# Altium PCB 03-旋钮模块-电路板图.PcbDoc
Units mm, origin at the board's own origin, x right, y up, seen from the top; angles counter-clockwise.
Board outline 36.3 x 36.3 mm, 2 copper layers (Top Layer, Bottom Layer); 6 components, 4 nets, 28 pads, 0 vias.
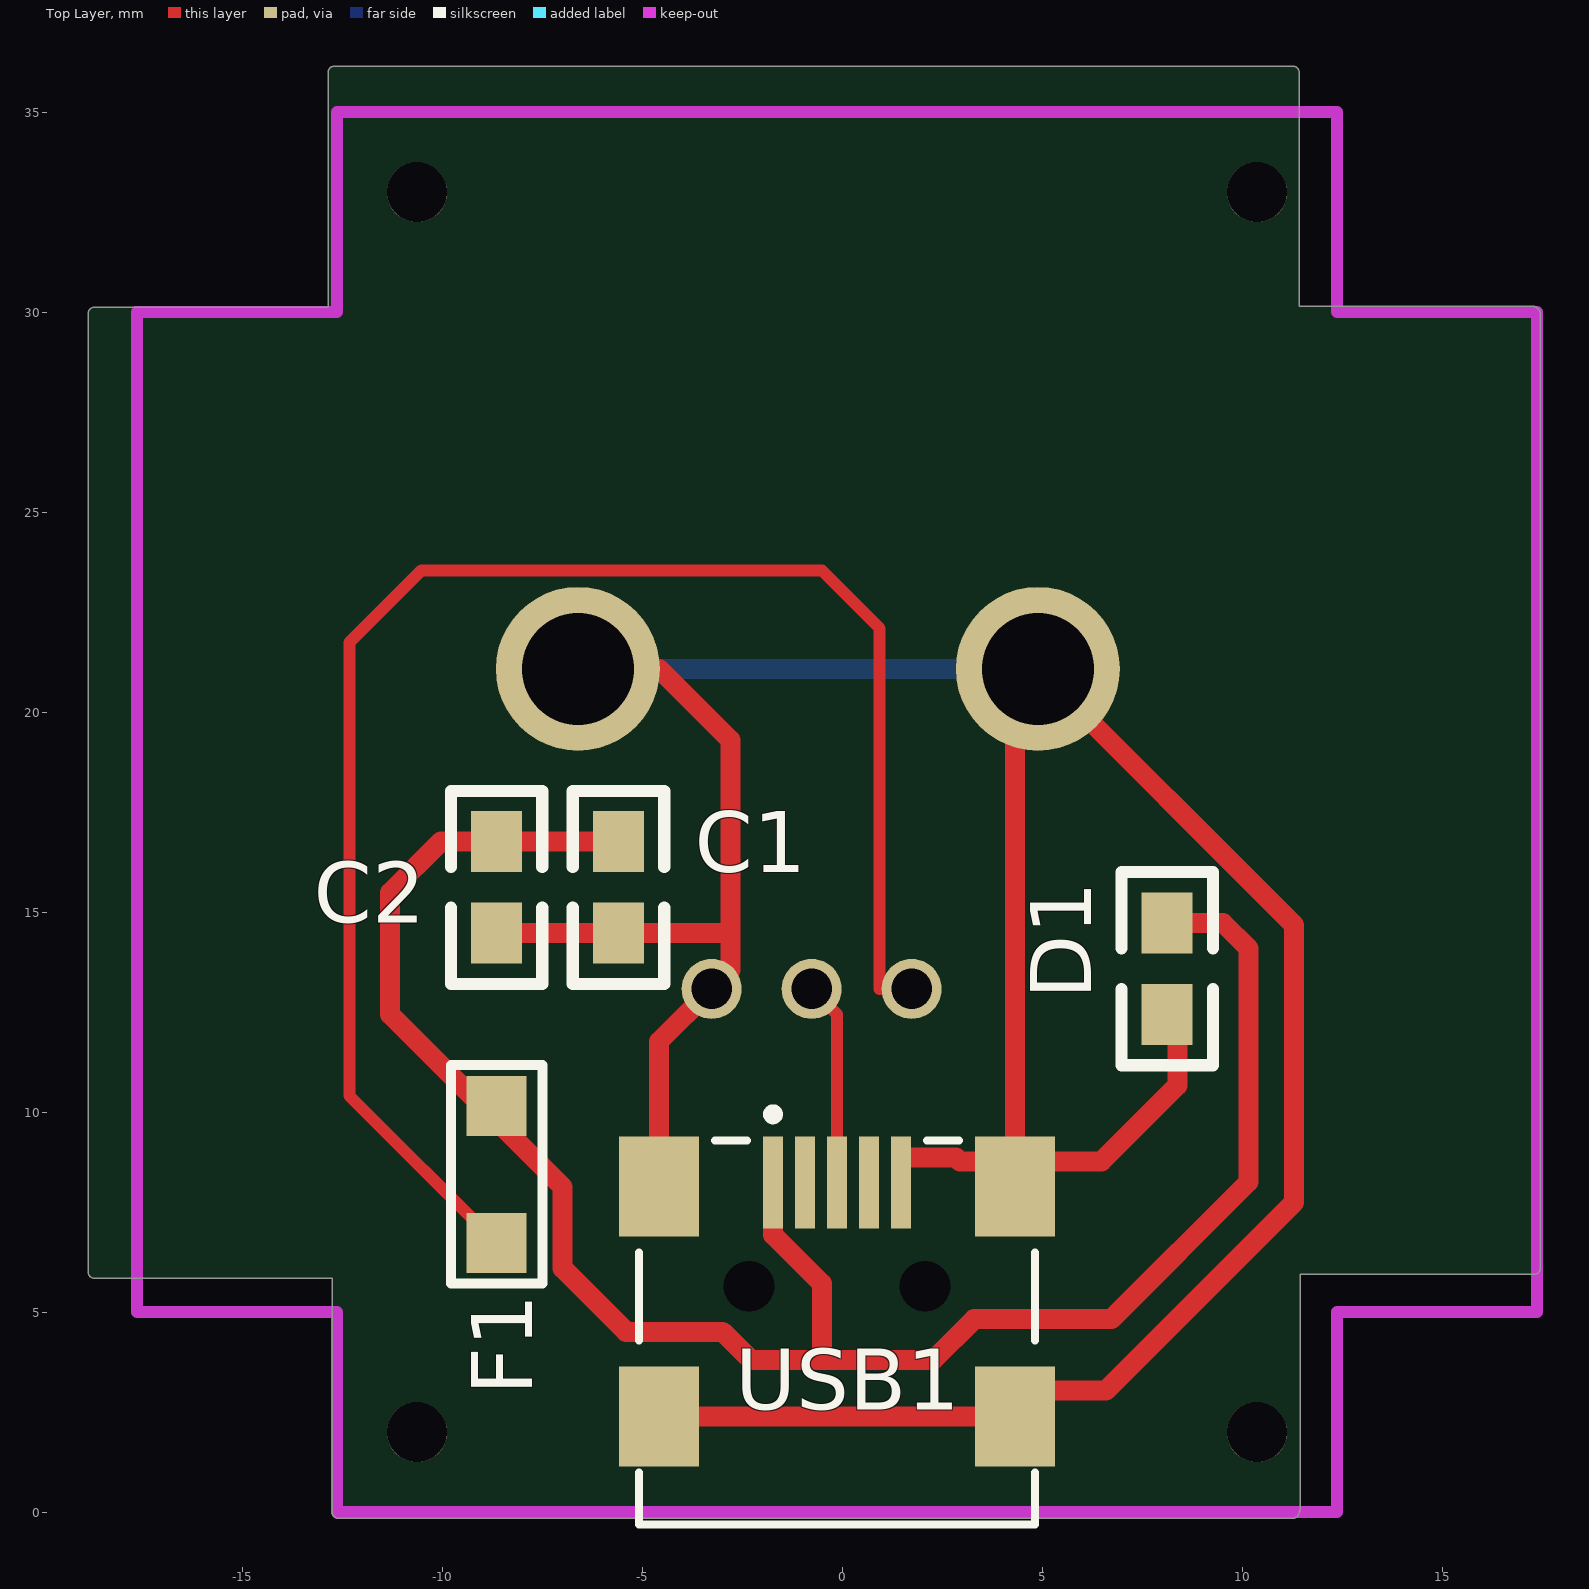
[diagram p0: Top Layer view]
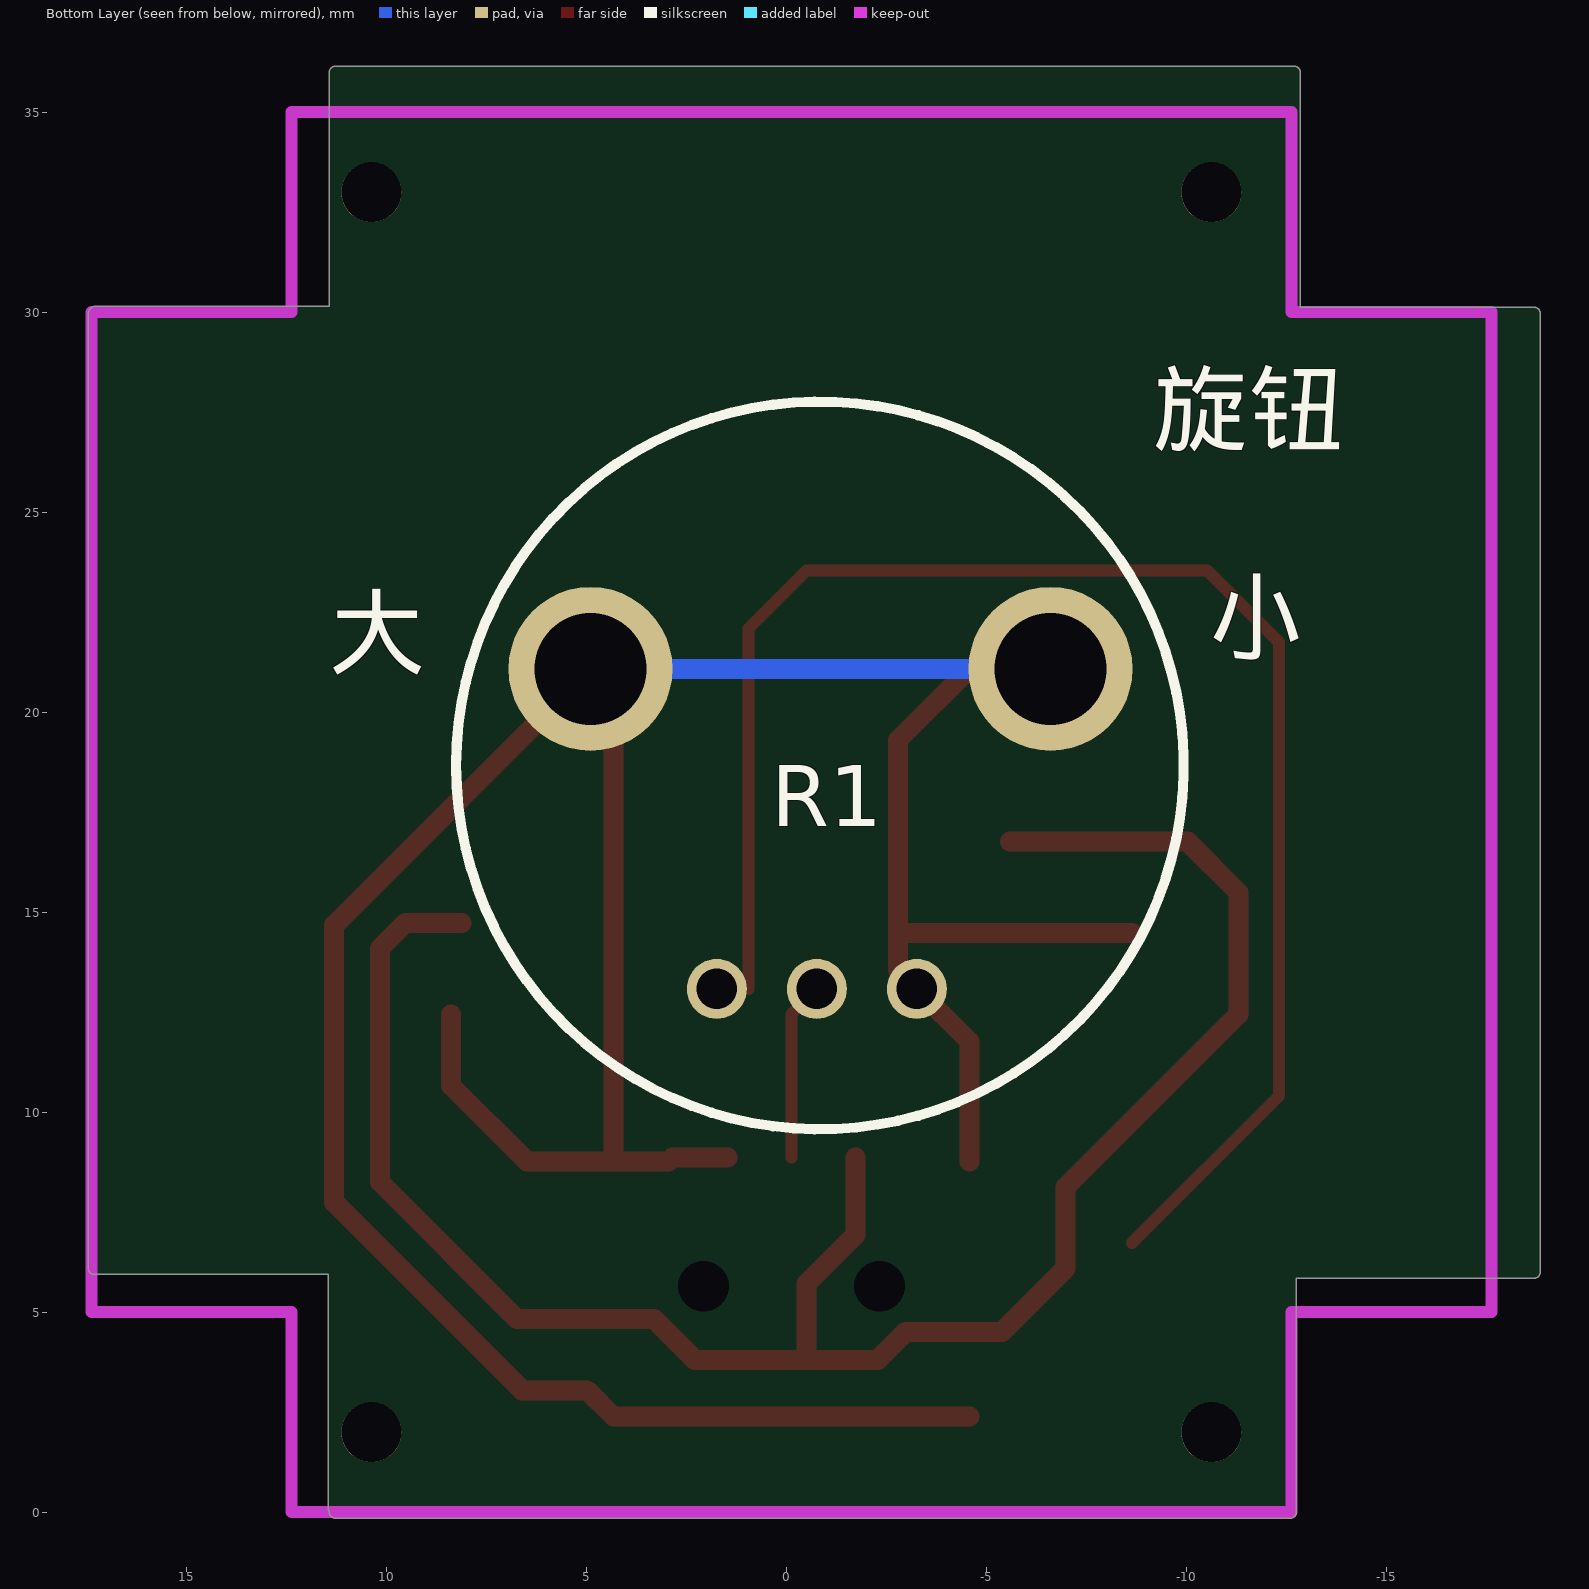
[diagram p1: Bottom Layer view, seen from below]

## Layer stack, top to bottom
Top Layer: signal copper 0.0356
Dielectric: dielectric 0.32, FR-4, Dk 4.8
Bottom Layer: signal copper 0.0356

## Board outline
-12.751,0 -12.751,5.85 -18.697,5.85 cw(c-18.697,6) -18.847,6 -18.847,29.972 cw(c-18.697,29.972) -18.697,30.122 -12.847,30.122 -12.847,35.969 cw(c-12.697,35.969) -12.847,35.984 cw(c-12.697,36) -12.697,36.15 11.272,36.15 cw(c11.272,36) 11.274,36.15 cw(c11.275,36) 11.425,36 11.425,30.15 17.272,30.15 cw(c17.272,30) 17.393,30.09 cw(c17.303,29.969) 17.453,29.969 17.453,6.096 cw(c17.303,6.096) 17.303,5.946 11.453,5.946 11.453,0.099 cw(c11.303,0.099) 11.425,0.011 cw(c11.275,0) 11.425,0 cw(c11.275,0) 11.275,-0.15 -12.601,-0.15 cw(c-12.601,0)

## Design rules (kind name [scope] priority, off if disabled: settings)
Clearance [All] p1: gap=0.254
PolygonConnect [All] p1: connectstyle=Relief reliefconductorwidth=0.254 reliefentries=4 polygonreliefangle="90 Angle"
RoutingVias [All] p1: holewidth=0.711 width=1.27 viastyle="Through Hole" minholewidth=0.711 minwidth=1.27 maxholewidth=0.711 maxwidth=1.27
SilkscreenOverComponentPads [All] p1: minsilkscreentomaskgap=0.254
SolderMaskExpansion [All] p1: expansion=0.102
TestPointUsage FabricationTestPointUsage [All] p1: valid=0 allowmultiple=FALSE
Testpoint FabricationTestpoint [All] p1: side=3 testpointundercomponent=TRUE minsize=1.016 maxsize=2.54 preferedsize=1.524 minholesize=0 maxholesize=1.016 preferedholesize=0.813 testpointgrid=0.025 style=297 order=0123456789
Width VCC [InNet('VCC')] p1: maxlimit=0.5 minlimit=0.5 preferedwidth=0.5
Width GND [InNet('GND')] p2: maxlimit=0.5 minlimit=0.5 preferedwidth=0.5
Width ALL [All] p3: maxlimit=0.3 minlimit=0.3 preferedwidth=0.3
23 further rules are at their usual default settings.

## Components (designator, comment, footprint, x,y, rotation, side; value= is the part's Value field where it differs from the comment)
C1 "Cap" 0805 -5.588,16.764 r270 top
C2 "Cap" 0805 -8.636,16.764 r270 top
D1 "LED0" 0805 8.128,14.732 r270 top
F1 "Fuse 1" Fuse -8.636,10.16 r270 top
R1 "Res Tap" 滑动电阻器 -6.604,21.082 r0 bottom
USB1 "USB" USB/SM0.8-6H5 0,4.715 r270 top (schematic designator USB_1)

## Footprints (in the part's own frame and the unit in brackets; to place one, negate y for a bottom-side part, rotate by r counter-clockwise, add the part's x,y. Pads: shape width x height; smd on the part's side, far side on the other; paste and mask are expansions set on the pad)
0805 [mil]
  rect 60x50 smd: 1(0,-0.06) 2(90,-0.06)
  silkscreen extent -50,-45 140,45
Fuse [mm]
  rect 1.5x1.5 smd: 1(0,0) 2(3.429,0)
  silkscreen extent -1.02,-1.14 4.44,1.14
USB/SM0.8-6H5 [mm]
  rect 2.3x0.5 smd: 1(-3.532,-1.727) 2(-3.532,-0.927) 3(-3.532,-0.127) 4(-3.532,0.673) 5(-3.532,1.473)
  rect 2.5x2 smd: 6(-3.432,4.323) 7(2.322,4.323) 8(-3.432,-4.577) 9(2.322,-4.577)
  round 0.6 hole 1.27 unplated: MH1(-0.932,2.073) MH2(-0.932,-2.327)
  silkscreen extent -5.36,-5.08 5.02,4.82
滑动电阻器 [mm]
  round 4.1 hole 2.794: 0(0,0) 0(11.5,0)
  round 1.5 hole 1.016: 1(3.343,8) 2(8.343,8) 3(5.843,8)
  silkscreen extent -3.33,-6.68 14.86,11.51

## Part data
C1 C2: "Capacitor"
D1: "Typical INFRARED GaAs LED"
F1: "Fuse"
R1: "Tapped Resistor"
USB1: library part USB5

## Free pads (board coordinates)
  round 1.5 hole 1.5: 0(-10.627,2) 0(-10.627,33) 0(10.373,2) 0(10.373,33)

## Nets (pads, with @x,y where several pads share a name; then routed paths per layer and width w, separated by ;. In a path a pad name is that pad's centre, name@x,y a point inside that pad or via, vN(x,y) a via of type N, cw(c..) or ccw(c..) an arc to the next point about the centre after c; other vN are vias at no path point)
GND: C1.2 C2.2 D1.2 R1.0 R1.1 USB1.5 USB1.6 USB1.7 USB1.8 USB1.9 | length 89.7
  Top Layer w0.5: C2.2 C1.2 -2.794,14.478 ; R1.0@-6.604,21.082 -4.572,21.082 -2.794,19.304 -2.794,14.478 ; USB1.9 USB1.7 4.978,3.048 6.604,3.048 11.303,7.747 11.303,14.675 4.896,21.082 4.323,21.082 USB1.6@4.323,8.766 ; USB1.8@-4.577,8.766 -4.577,11.766 R1.1 -2.794,13.549 -2.794,14.478 ; USB1.5@1.473,8.866 2.845,8.866 2.945,8.766 USB1.6@4.323,8.766 ; D1.2@8.382,12.448 8.382,10.668 6.48,8.766 USB1.6@4.323,8.766
  Bottom Layer w0.5: R1.0@-6.604,21.082 R1.0@4.896,21.082
NetF1_2: F1.2 R1.2 | length 41
  Top Layer w0.3: F1.2 -12.319,10.414 -12.319,21.742 -10.516,23.546 -0.508,23.546 0.94,22.098 0.94,13.082 R1.2
NetR1_3: R1.3 USB1.3 | length 4.5
  Top Layer w0.3: R1.3 R1.3 -0.127,12.446 USB1.3@-0.127,8.866
VCC: C1.1 C2.1 D1.1 F1.1 USB1.1 | length 51.1
  Top Layer w0.5: C1.1 C2.1 -10.033,16.764 -11.303,15.494 -11.303,12.446 -6.985,8.128 -6.985,6.096 -5.397,4.508 -2.984,4.508 -2.286,3.81 -0.508,3.81 ; USB1.1@-1.727,8.866 USB1.1 -1.727,6.934 -0.508,5.715 -0.508,3.81 ; D1.1 9.525,14.732 10.16,14.097 10.16,8.255 6.731,4.826 3.302,4.826 2.286,3.81 -0.508,3.81
pads on no net: USB1.2 USB1.4 USB1.MH1 USB1.MH2

## Keep-outs
Keep-Out Layer:
  lines w0.3: -12.601,0 11.275,0 ; -17.627,5 -12.627,5 -12.627,0 12.373,0 12.373,5 17.373,5 17.373,30 12.373,30 12.373,35 -12.627,35 -12.627,30 -17.627,30 -17.627,5

## Silkscreen, mask and mechanical layers (free items; w line width, h text height)
Bottom Overlay:
  text "旋钮" at -9.144,26.162 h3
  text "小" at -10.541,20.955 h3
  text "大" at 11.43,20.574 h3